# KiCad board ddr5-testboard.kicad_pcb (continued)
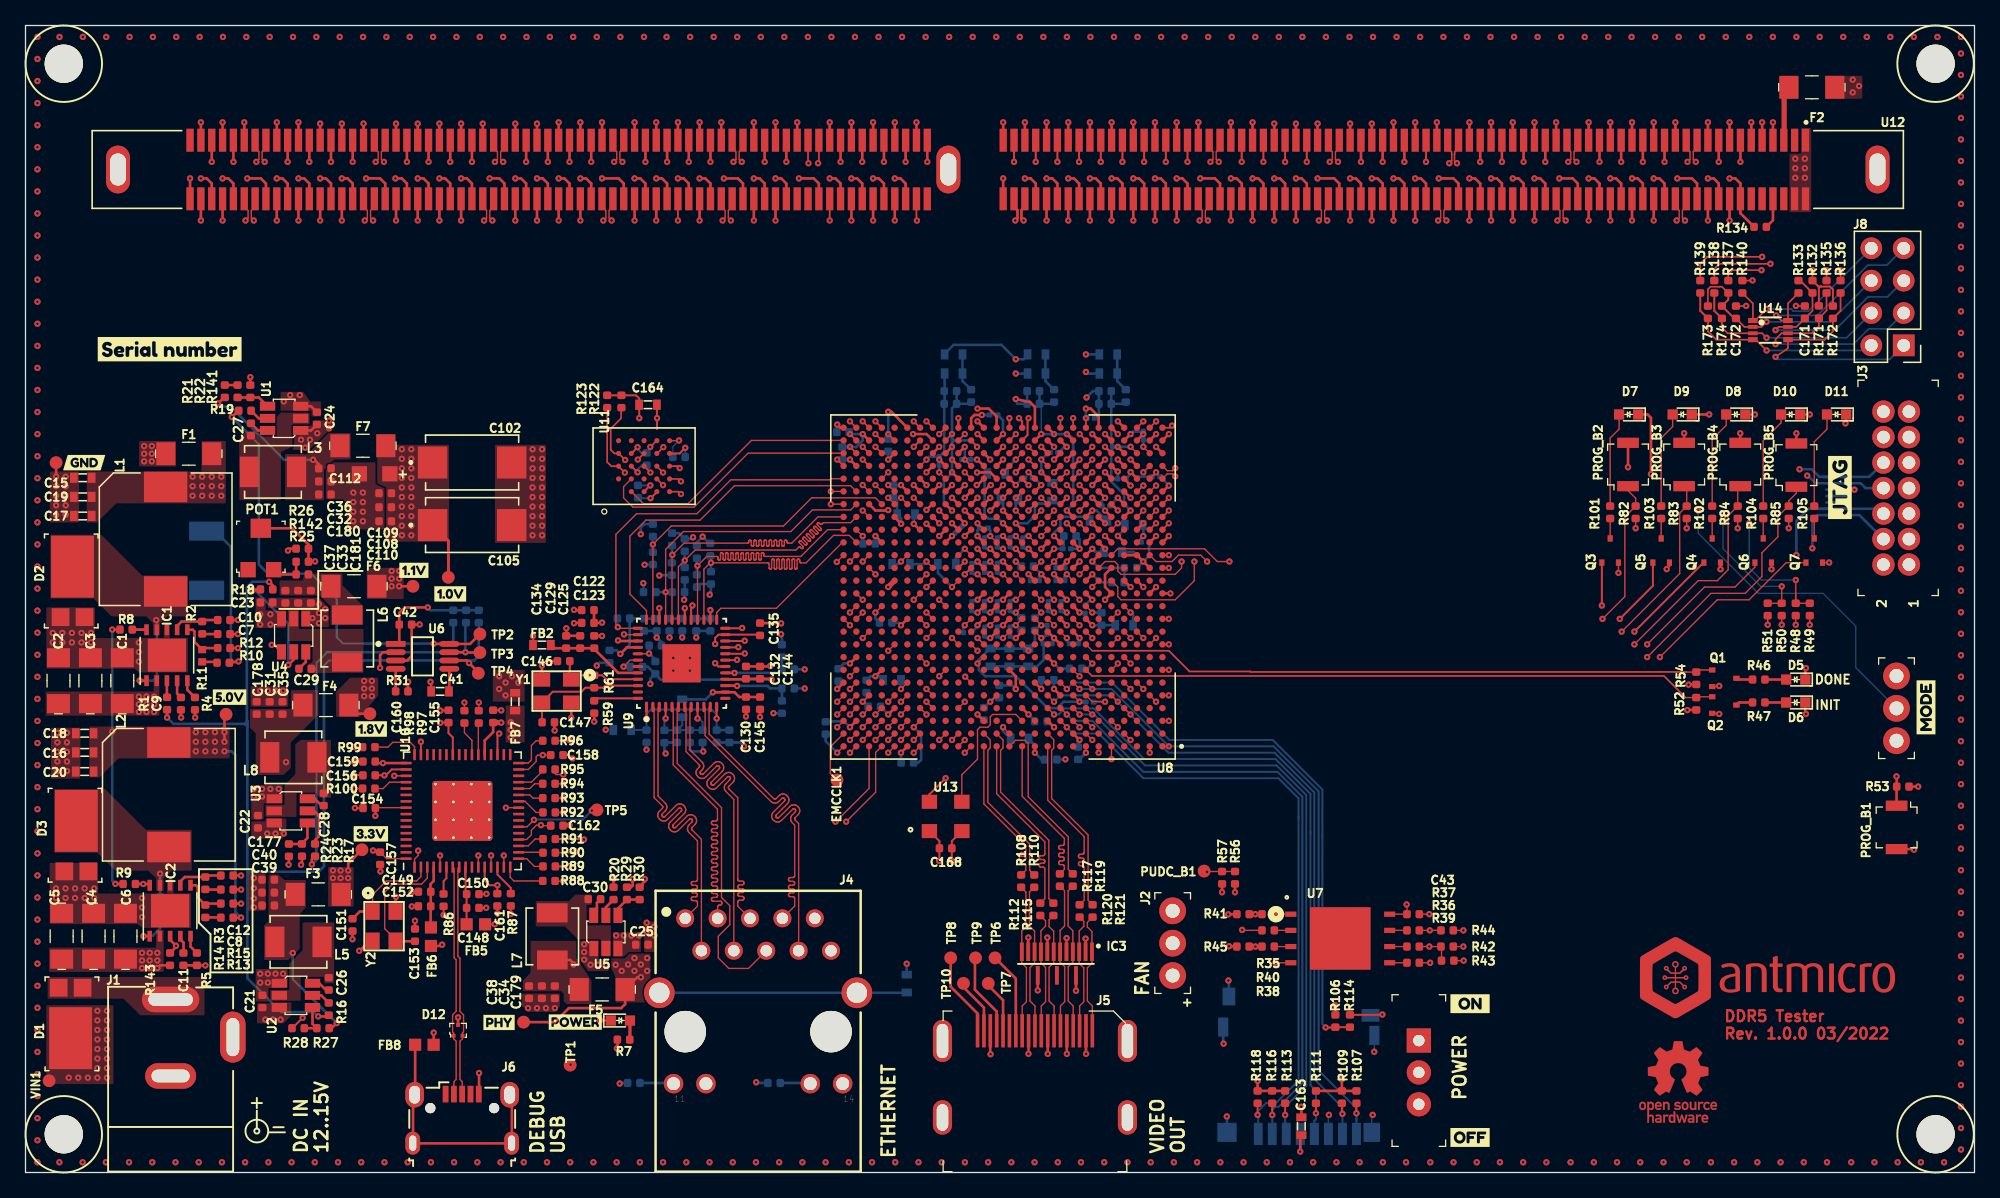
[diagram p0: board, top side]
## Routing (per net, layer and track width the routed paths; a pad name or vN(x,y) marks a point on that pad's centre or on a via; arc(x,y) is an arc through that point) (continued)
PROGRAM_B: length 84.6
  Top w0.1: 146.74,28.73 PROG_B1.1 ; U8.P6 v3(83.64,45.94)
  Top w0.2: v1(146.69,31.08) 146.7,31.06 R53.2 ; 146.69,30.28 PROG_B1.1
  In5.Cu w0.1: v1(146.69,31.08) 144.6,31.08 143.44,32.24 143.44,47.54 141.54,49.44 121.71,49.44 117.71,45.44 91.89,45.44 91.39,45.94 v3(83.64,45.94)
PUDC_B: length 39
  Top w0.1: R56.2 R57.1 92.66,23.62 v1(92.64,23.59) ; U8.B25 v1(64.64,33.94)
  In9.Cu w0.1: v1(64.64,33.94) 64.14,33.44 64.14,29.94 67.64,26.44 91.14,26.44 92.64,24.94 v1(92.64,23.59)
QSPI_DQ0: length 59.3
  Top w0.1: U8.B24 v1(65.64,33.94) ; R39.2 v1(110.12,16.46)
  In9.Cu w0.1: v1(110.12,16.46) 109.72,16.06 96.87,16.06 95.94,16.99 95.94,23.19 91.69,27.44 68.64,27.44 65.64,30.44 v1(65.64,33.94)
QSPI_DQ1: length 42.6
  Top w0.1: R40.2 95.43,19 v1(95.39,19.04) ; U8.A25 v1(64.64,32.94)
  In9.Cu w0.1: v1(95.39,19.04) 95.39,22.99 91.44,26.94 68.14,26.94 64.64,30.44 v1(64.64,32.94)
QSPI_DQ2: length 44.7
  Top w0.1: U8.B22 v1(67.64,33.94) ; R38.2 v1(96.43,17.73) R45.2 95.9,17.77
  In9.Cu w0.1: v1(96.43,17.73) 97.44,18.74 97.44,22.24 ; 97.44,22.24 97.44,22.44 ; 97.44,22.24 97.44,23.29 92.29,28.44 69.64,28.44 67.09,30.99 67.09,33.39 v1(67.64,33.94)
QSPI_DQ3: length 51.5
  Top w0.1: 110.97,19 v1(110.1,19) R37.2 ; U8.A22 v1(67.64,32.94)
  In9.Cu w0.1: v1(110.1,19) 102.63,19 92.69,28.94 70.14,28.94 67.64,31.44 v1(67.64,32.94)
RESET_N: length 41.4
  Top w0.13: U8.AF3 v1(87.64,58.94)
  Top w0.2: U12.207 v1(86.85,74.7)
  In9.Cu w0.13: v1(87.64,58.94) 86.85,59.73 86.85,62.09 86.85,62.12 86.86,62.15 86.88,62.17 86.9,62.19 86.92,62.21 86.95,62.22 86.98,62.22 87.16,62.22 87.19,62.22 87.22,62.23 87.24,62.25 87.26,62.27 87.28,62.29 87.29,62.32 87.29,62.35 87.29,62.38 87.28,62.41 87.26,62.43 87.24,62.45 87.22,62.47 87.19,62.48 87.16,62.48 86.54,62.48 86.51,62.48 86.48,62.49 86.46,62.51 86.44,62.53 86.42,62.55 86.41,62.58 86.41,62.61 86.41,62.64 86.42,62.67 86.44,62.69 86.46,62.71 86.48,62.73 86.51,62.74 86.54,62.74 87.16,62.74 87.19,62.74 87.22,62.75 87.24,62.77 87.26,62.79 87.28,62.81 87.29,62.84 87.29,62.87 87.29,62.9 87.28,62.93 87.26,62.95 87.24,62.97 87.22,62.99 87.19,63 87.16,63 86.54,63 86.51,63 86.48,63.01 86.46,63.03 86.44,63.05 86.42,63.07 86.41,63.1 86.41,63.13 86.41,63.16 86.42,63.19 86.44,63.21 86.46,63.23 86.48,63.25 86.51,63.26 86.54,63.26 87.16,63.26 87.19,63.26 87.22,63.27 87.24,63.29 87.26,63.31 87.28,63.33 87.29,63.36 87.29,63.39 87.29,63.42 87.28,63.45 87.26,63.47 87.24,63.49 87.22,63.51 87.19,63.52 87.16,63.52 86.54,63.52 86.51,63.52 86.48,63.53 86.46,63.55 86.44,63.57 86.42,63.59 86.41,63.62 86.41,63.65 86.41,63.68 86.42,63.71 86.44,63.73 86.46,63.75 86.48,63.77 86.51,63.78 86.54,63.78 87.16,63.78 87.19,63.78 87.22,63.79 87.24,63.81 87.26,63.83 87.28,63.85 87.29,63.88 87.29,63.91 87.29,63.94 87.28,63.97 87.26,63.99 87.24,64.01 87.22,64.03 87.19,64.04 87.16,64.04 86.54,64.04 86.51,64.04 86.48,64.05 86.46,64.07 86.44,64.09 86.42,64.11 86.41,64.14 86.41,64.17 86.41,64.2 86.42,64.23 86.44,64.25 86.46,64.27 86.48,64.29 86.51,64.3 86.54,64.3 87.16,64.3 87.19,64.3 87.22,64.31 87.24,64.33 87.26,64.35 87.28,64.37 87.29,64.4 87.29,64.43 87.29,64.46 87.28,64.49 87.26,64.51 87.24,64.53 87.22,64.55 87.19,64.56 87.16,64.56 86.54,64.56 86.51,64.56 86.48,64.57 86.46,64.59 86.44,64.61 86.42,64.63 86.41,64.66 86.41,64.69 86.41,64.72 86.42,64.75 86.44,64.77 86.46,64.79 86.48,64.81 86.51,64.82 86.54,64.82 87.16,64.82 87.19,64.82 87.22,64.83 87.24,64.85 87.26,64.87 87.28,64.89 87.29,64.92 87.29,64.95 87.29,64.98 87.28,65.01 87.26,65.03 87.24,65.05 87.22,65.07 87.19,65.08 87.16,65.08 86.54,65.08 86.51,65.08 86.48,65.09 86.46,65.11 86.44,65.13 86.42,65.15 86.41,65.18 86.41,65.21 86.41,65.24 86.42,65.27 86.44,65.29 86.46,65.31 86.48,65.33 86.51,65.34 86.54,65.34 87.16,65.34 87.19,65.34 87.22,65.35 87.24,65.37 87.26,65.39 87.28,65.41 87.29,65.44 87.29,65.47 87.29,65.5 87.28,65.53 87.26,65.55 87.24,65.57 87.22,65.59 87.19,65.6 87.16,65.6 86.54,65.6 86.51,65.6 86.48,65.61 86.46,65.63 86.44,65.65 86.42,65.67 86.41,65.7 86.41,65.73 86.41,65.76 86.42,65.79 86.44,65.81 86.46,65.83 86.48,65.85 86.51,65.86 86.54,65.86 87.16,65.86 87.19,65.86 87.22,65.87 87.24,65.89 87.26,65.91 87.28,65.93 87.29,65.96 87.29,65.99 87.29,66.02 87.28,66.05 87.26,66.07 87.24,66.09 87.22,66.11 87.19,66.12 87.16,66.12 86.54,66.12 86.51,66.12 86.48,66.13 86.46,66.15 86.44,66.17 86.42,66.19 86.41,66.22 86.41,66.25 86.41,66.28 86.42,66.31 86.44,66.33 86.46,66.35 86.48,66.37 86.51,66.38 86.54,66.38 87.16,66.38 87.19,66.38 87.22,66.39 87.24,66.41 87.26,66.43 87.28,66.45 87.29,66.48 87.29,66.51 87.29,66.54 87.28,66.57 87.26,66.59 87.24,66.61 87.22,66.63 87.19,66.64 87.16,66.64 86.54,66.64 86.51,66.64 86.48,66.65 86.46,66.67 86.44,66.69 86.42,66.71 86.41,66.74 86.41,66.77 86.41,66.8 86.42,66.83 86.44,66.85 86.46,66.87 86.48,66.89 86.51,66.9 86.54,66.9 87.16,66.9 87.19,66.9 87.22,66.91 87.24,66.93 87.26,66.95 87.28,66.97 87.29,67 87.29,67.03 87.29,67.06 87.28,67.09 87.26,67.11 87.24,67.13 87.22,67.15 87.19,67.16 87.16,67.16 86.54,67.16 86.51,67.16 86.48,67.17 86.46,67.19 86.44,67.21 86.42,67.23 86.41,67.26 86.41,67.29 86.41,67.32 86.42,67.35 86.44,67.37 86.46,67.39 86.48,67.41 86.51,67.42 86.54,67.42 87.16,67.42 87.19,67.42 87.22,67.43 87.24,67.45 87.26,67.47 87.28,67.49 87.29,67.52 87.29,67.55 87.29,67.58 87.28,67.61 87.26,67.63 87.24,67.65 87.22,67.67 87.19,67.68 87.16,67.68 86.54,67.68 86.51,67.68 86.48,67.69 86.46,67.71 86.44,67.73 86.42,67.75 86.41,67.78 86.41,67.81 86.41,67.84 86.42,67.87 86.44,67.89 86.46,67.91 86.48,67.93 86.51,67.94 86.54,67.94 87.16,67.94 87.19,67.94 87.22,67.95 87.24,67.97 87.26,67.99 87.28,68.01 87.29,68.04 87.29,68.07 87.29,68.1 87.28,68.13 87.26,68.15 87.24,68.17 87.22,68.19 87.19,68.2 87.16,68.2 86.54,68.2 86.51,68.2 86.48,68.21 86.46,68.23 86.44,68.25 86.42,68.27 86.41,68.3 86.41,68.33 86.41,68.36 86.42,68.39 86.44,68.41 86.46,68.43 86.48,68.45 86.51,68.46 86.54,68.46 87.16,68.46 87.19,68.46 87.22,68.47 87.24,68.49 87.26,68.51 87.28,68.53 87.29,68.56 87.29,68.59 87.29,68.62 87.28,68.65 87.26,68.67 87.24,68.69 87.22,68.71 87.19,68.72 87.16,68.72 86.54,68.72 86.51,68.72 86.48,68.73 86.46,68.75 86.44,68.77 86.42,68.79 86.41,68.82 86.41,68.85 86.41,68.88 86.42,68.91 86.44,68.93 86.46,68.95 86.48,68.97 86.51,68.98 86.54,68.98 87.16,68.98 87.19,68.98 87.22,68.99 87.24,69.01 87.26,69.03 87.28,69.05 87.29,69.08 87.29,69.11 87.29,69.14 87.28,69.17 87.26,69.19 87.24,69.21 87.22,69.23 87.19,69.24 87.16,69.24 86.54,69.24 86.51,69.24 86.48,69.25 86.46,69.27 86.44,69.29 86.42,69.31 86.41,69.34 86.41,69.37 86.41,69.4 86.42,69.43 86.44,69.45 86.46,69.47 86.48,69.49 86.51,69.5 86.54,69.5 87.16,69.5 87.19,69.5 87.22,69.51 87.24,69.53 87.26,69.55 87.28,69.57 87.29,69.6 87.29,69.63 87.29,69.66 87.28,69.69 87.26,69.71 87.24,69.73 87.22,69.75 87.19,69.76 87.16,69.76 86.54,69.76 86.51,69.76 86.48,69.77 86.46,69.79 86.44,69.81 86.42,69.83 86.41,69.86 86.41,69.89 86.41,69.92 86.42,69.95 86.44,69.97 86.46,69.99 86.48,70.01 86.51,70.02 86.54,70.02 86.72,70.02 86.75,70.02 86.78,70.03 86.8,70.05 86.82,70.07 86.84,70.09 86.85,70.12 86.85,70.15 v1(86.85,74.7)
SCL_3V3: length 94.3
  Top w0.1: U8.E25 v1(64.64,36.94)
  Top w0.127: R135.1 v1(141.2,70.8)
  In2.Cu w0.127: v1(64.64,36.94) 65.8,38.1 66.9,38.1 68.2,39.4 70.8,39.4 71.7,40.3 79.7,40.3 80.3,40.9 115.1,40.9 141.2,67 v1(141.2,70.8)
SD_CD: length 45.2
  Top w0.1: U8.F9 v1(81.64,37.94)
  Top w0.15: R114.1 R106.2 102.67,11.38 ; v1(101.93,11.38) 102.8,11.38
  Bottom w0.15: v1(101.93,11.38) 101.68,11.63 101.68,30.04 97.77,33.94 89.69,33.94 85.19,38.44 82.14,38.44 v1(81.64,37.94)
SD_CLK: length 51.6
  Top w0.1: U8.D10 v1(80.64,35.94)
  Top w0.15: R111.2 v1(101.17,4.65)
  Bottom w0.15: 100.74,26.55 100.74,6.85 101.17,6.43 v1(101.17,4.65) 101.17,4.17 101.05,4.05 J7.5 ; 100.74,26.55 100.74,26.71 ; 100.74,26.55 100.74,29.7 98,32.44 87.71,32.44 83.74,36.41 81.48,36.41 81.01,35.94 80.64,35.94 v1(80.64,35.94)
SD_CMD: length 49.2
  Top w0.1: U8.D8 v1(82.64,35.94)
  Top w0.15: R113.2 v1(98.76,4.52)
  Bottom w0.15: 98.76,3.12 v1(98.76,4.52) 98.76,5.16 100.41,6.81 100.41,29.61 98.08,31.94 87.76,31.94 83.76,35.94 v1(82.64,35.94)
SD_DAT0: length 53.3
  Top w0.1: U8.E10 v1(80.64,36.94)
  Top w0.15: 103.2,5.14 R109.2 103.2,4.65 v1(103.25,4.6)
  Bottom w0.15: v1(80.64,36.94) 81.14,37.44 85.11,37.44 89.61,32.94 97.93,32.94 101.04,29.82 101.04,7.31 103.25,5.11 v1(103.25,4.6) J7.7
SD_DAT1: length 52.2
  Top w0.1: U8.F8 v1(82.64,37.94)
  Top w0.15: R107.2 v1(104.34,4.65)
  Bottom w0.15: v1(82.64,37.94) 85.14,37.94 89.64,33.44 97.85,33.44 101.38,29.91 101.38,8 104.34,5.03 104.34,4.14 ; J7.8 104.34,4.14 ; 104.34,4.14 v1(104.34,4.65)
SD_DAT2: length 50.4
  Top w0.1: U8.C9 v1(81.64,34.94)
  Top w0.15: R118.2 v1(96.6,4.52)
  Bottom w0.15: 99.81,27.77 99.81,29.36 98.23,30.94 87.64,30.94 84.14,34.44 82.14,34.44 v1(81.64,34.94) ; 99.81,27.77 99.81,27.97 ; 99.81,27.77 99.81,7.22 98.04,5.46 97.28,5.46 96.6,4.78 v1(96.6,4.52) 96.65,4.47 J7.1
SD_DAT3: length 50.4
  Top w0.1: U8.D9 v1(81.64,35.94)
  Top w0.15: R116.2 97.74,4.52 v1(97.75,4.51)
  Bottom w0.15: J7.2 v1(97.75,4.51) 97.75,4.91 97.99,5.16 98.25,5.16 100.11,7.01 100.11,29.49 98.15,31.44 87.64,31.44 83.64,35.44 82.14,35.44 v1(81.64,35.94)
SDA_3V3: length 96.8
  Top w0.1: U8.D26 v1(63.64,35.94)
  Top w0.127: R136.1 v1(142.3,70.8)
  In2.Cu w0.127: v1(142.3,70.8) 142.3,67.4 115.4,40.5 80.58,40.5 79.98,39.9 71.9,39.9 71,39 68.4,39 67.1,37.7 65.78,37.7 65.2,37.12 65.2,36.8 64.8,36.4 64.1,36.4 v1(63.64,35.94)
SYS_ON: length 38.3
  Top w0.2: IC2.10 9.64,22.64 v1(9.24,22.64) R9.2 ; v1(27.8,39.6) 27.8,40.6 28.03,40.83 U6.2
  In5.Cu w0.2: v1(9.24,22.64) 15.84,22.64 16.2,23 16.2,38.8 16.65,39.25 27.45,39.25 v1(27.8,39.6)
TCK_JTAG: length 125.4
  Top w0.1: 41.54,22.86 42.15,22.86 ; U8.L8 v3(82.64,42.94)
  In5.Cu w0.1: v1(42.16,22.88) 43.32,22.88 43.89,23.44 43.89,24.9 45.68,26.69 51.89,26.69 60.39,35.19 60.39,42.44 61.39,43.44 U8.L8 v3(82.64,42.94) 83.14,43.44 84.14,43.44 85.14,44.44 118.64,44.44 122.64,48.44 v1(138.84,48.44)
  Bottom w0.2: D4.13 140.09,52.08 ; D4.13 D4.13 145.28,52.08 J3.6 ; D4.13 139.79,52.08 138.84,51.13 v1(138.84,48.44)
TDI_JTAG: length 137.3
  Top w0.1: v1(90.64,47.94) 90.64,47.44 90.14,46.94 85.89,46.94 85.64,47.19 85.64,47.69 85.39,47.94 84.64,47.94 U8.R6
  Top w0.15: R89.2 42.52,24.02
  In5.Cu w0.1: v1(139.09,55.18) 139.09,50.81 138.37,50.09 125.49,50.09 124.64,50.94 121.14,50.94 116.64,46.44 92.14,46.44 v1(90.64,47.94) 90.14,47.44 79.14,47.44 ; 76.89,46.44 61.39,46.44 59.64,44.69 59.64,35.94 51.14,27.44 44.1,27.44 42.54,25.87 v1(42.54,24)
  In5.Cu w0.11: 79.14,47.44 77.39,47.44 77.14,47.19 77.14,46.69 76.89,46.44
  In9.Cu w0.15: 42.52,24.02 v1(42.54,24)
  Bottom w0.2: D4.8 140.64,54.58 140.04,55.18 v1(139.09,55.18) ; D4.8 140.91,54.58 ; D4.8 D4.8 144.54,54.58 J3.10
TDO_JTAG: length 127.3
  Top w0.1: v1(43.14,25.19) 43.04,25.09 R90.2 ; U8.R7 v3(82.64,46.94)
  In5.Cu w0.1: v3(82.64,46.94) 82.14,46.44 82.14,45.69 81.89,45.44 61.39,45.44 59.89,43.94 59.89,35.69 51.39,27.19 44.14,27.19 43.14,26.19 v1(43.14,25.19) ; v1(139.69,54.68) 139.69,50.64 138.84,49.79 124.79,49.79 ; 124.79,49.79 124.64,49.94 ; 124.79,49.79 124.14,50.44 121.64,50.44 117.14,45.94 91.89,45.94 91.39,46.44 84.14,46.44
  In5.Cu w0.11: 84.14,46.44 83.14,46.44 v3(82.64,46.94)
  Bottom w0.2: v1(139.69,54.68) 139.74,54.68 140.34,54.08 D4.9 D4.9 143.89,54.08 144.26,53.7 J3.8
TMDS_CLK_N: length 12.9
  Top w0.1: U8.A15 75.14,28.92 78.42,25.64 78.42,25.26 78.41,25.23 78.4,25.19 78.38,25.17 78.36,25.14 78.33,25.12 78.3,25.11 78.27,25.11 78.12,25.11 78.08,25.11 78.05,25.09 78.02,25.08 78,25.05 77.98,25.02 77.97,24.99 77.97,24.96 77.97,24.93 77.98,24.89 78,24.87 78.02,24.84 78.05,24.82 78.08,24.81 78.12,24.81 78.27,24.81 78.3,24.81 78.33,24.79 78.36,24.78 78.38,24.75 78.4,24.72 78.41,24.69 78.42,24.66 78.41,24.63 78.4,24.59 78.38,24.57 78.36,24.54 78.33,24.52 78.3,24.51 78.27,24.51 78.12,24.51 78.08,24.51 78.05,24.49 78.02,24.48 78,24.45 77.98,24.42 77.97,24.39 77.97,24.36 77.97,24.33 77.98,24.29 78,24.27 78.02,24.24 78.05,24.22 78.08,24.21 78.12,24.21 78.27,24.21 78.3,24.21 78.33,24.19 78.36,24.18 78.38,24.15 78.4,24.12 78.41,24.09 78.42,24.06 78.42,23.71 R108.1
TMDS_CLK_P: length 12.9
  Top w0.1: R110.1 78.73,23.71 78.73,25.77 75.45,29.05 75.45,33.13 75.64,33.32 75.64,33.94 U8.B15
TMDS_D0_N: length 15.3
  Top w0.1: U8.A14 76.14,29.72 79.92,25.94 79.92,25.01 79.91,24.98 79.9,24.94 79.88,24.92 79.86,24.89 79.83,24.87 79.8,24.86 79.77,24.86 79.62,24.86 79.58,24.86 79.55,24.84 79.52,24.83 79.5,24.8 79.48,24.77 79.47,24.74 79.47,24.71 79.47,24.68 79.48,24.64 79.5,24.62 79.52,24.59 79.55,24.57 79.58,24.56 79.62,24.56 79.77,24.56 79.8,24.56 79.83,24.54 79.86,24.53 79.88,24.5 79.9,24.47 79.91,24.44 79.92,24.41 79.91,24.38 79.9,24.34 79.88,24.32 79.86,24.29 79.83,24.27 79.8,24.26 79.77,24.26 79.62,24.26 79.58,24.26 79.55,24.24 79.52,24.23 79.5,24.2 79.48,24.17 79.47,24.14 79.47,24.11 79.47,24.08 79.48,24.04 79.5,24.02 79.52,23.99 79.55,23.97 79.58,23.96 79.62,23.96 79.77,23.96 79.8,23.96 79.83,23.94 79.86,23.93 79.88,23.9 79.9,23.87 79.91,23.84 79.92,23.81 79.92,21.49 R112.1
TMDS_D0_P: length 15.3
  Top w0.1: R115.1 80.23,21.49 80.23,26.07 76.45,29.85 76.45,33.13 76.64,33.32 76.64,33.94 U8.B14
TMDS_D1_N: length 13.5
  Top w0.1: U8.A12 78.14,29.52 81.44,26.21 81.44,25.81 81.44,25.77 81.43,25.74 81.41,25.71 81.39,25.69 81.36,25.67 81.33,25.66 81.29,25.66 81.14,25.66 81.11,25.65 81.08,25.64 81.05,25.62 81.02,25.6 81.01,25.57 81,25.54 80.99,25.51 81,25.47 81.01,25.44 81.02,25.41 81.05,25.39 81.08,25.37 81.11,25.36 81.14,25.36 81.29,25.36 81.33,25.35 81.36,25.34 81.39,25.32 81.41,25.3 81.43,25.27 81.44,25.24 81.44,25.21 81.44,25.17 81.43,25.14 81.41,25.11 81.39,25.09 81.36,25.07 81.33,25.06 81.29,25.06 81.14,25.06 81.11,25.05 81.08,25.04 81.05,25.02 81.02,25 81.01,24.97 81,24.94 80.99,24.91 81,24.87 81.01,24.84 81.02,24.81 81.05,24.79 81.08,24.77 81.11,24.76 81.14,24.76 81.29,24.76 81.33,24.75 81.36,24.74 81.39,24.72 81.41,24.7 81.43,24.67 81.44,24.64 81.44,24.61 81.44,24.57 81.43,24.54 81.41,24.51 81.39,24.49 81.36,24.47 81.33,24.46 81.29,24.46 81.14,24.46 81.11,24.45 81.08,24.44 81.05,24.42 81.02,24.4 81.01,24.37 81,24.34 80.99,24.31 81,24.27 81.01,24.24 81.02,24.21 81.05,24.19 81.08,24.17 81.11,24.16 81.14,24.16 81.29,24.16 81.33,24.15 81.36,24.14 81.39,24.12 81.41,24.1 81.43,24.07 81.44,24.04 81.44,24.01 81.44,23.78 R117.1
TMDS_D1_P: length 13.5
  Top w0.1: R119.1 81.75,23.78 81.75,26.34 78.61,29.48 78.61,33.66 78.36,33.91 77.61,33.91 U8.A13
TMDS_D2_N: length 15
  Top w0.1: R120.1 83,21.36 83,23.92 82.99,23.96 82.98,23.99 82.96,24.02 82.94,24.04 82.91,24.06 82.88,24.07 82.85,24.07 82.7,24.07 82.67,24.08 82.63,24.09 82.61,24.11 82.58,24.13 82.56,24.16 82.55,24.19 82.55,24.22 82.55,24.26 82.56,24.29 82.58,24.32 82.61,24.34 82.63,24.36 82.67,24.37 82.7,24.37 82.85,24.37 82.88,24.38 82.91,24.39 82.94,24.41 82.96,24.43 82.98,24.46 82.99,24.49 83,24.52 82.99,24.56 82.98,24.59 82.96,24.62 82.94,24.64 82.91,24.66 82.88,24.67 82.85,24.67 82.7,24.67 82.67,24.68 82.63,24.69 82.61,24.71 82.58,24.73 82.56,24.76 82.55,24.79 82.55,24.82 82.55,24.86 82.56,24.89 82.58,24.92 82.61,24.94 82.63,24.96 82.67,24.97 82.7,24.97 82.85,24.97 82.88,24.98 82.91,24.99 82.94,25.01 82.96,25.03 82.98,25.06 82.99,25.09 83,25.12 83,26.36 80.14,29.22 U8.A10
TMDS_D2_P: length 15
  Top w0.1: R121.1 83.31,21.36 83.31,26.49 80.45,29.35 80.45,33.13 80.61,33.29 80.61,33.96 U8.B10
TMS_JTAG: length 122.8
  Top w0.1: U8.N8 v3(82.64,44.94)
  Top w0.15: v1(43.79,26.13) 43.75,26.17 R91.2
  In5.Cu w0.1: 140.05,48.94 122.16,48.94 118.16,44.94 91.89,44.94 91.39,45.44 83.14,45.44 v3(82.64,44.94) 82.24,44.54 61.49,44.54 60.14,43.19 60.14,35.44 51.64,26.94 44.6,26.94 v1(43.79,26.13)
  In9.Cu w0.1: v1(140.09,48.98) 140.05,48.94
  Bottom w0.15: v1(140.09,48.98) 140.09,49.33
  Bottom w0.2: v1(140.09,48.98) 140.09,51.18 140.49,51.58 D4.14 D4.14 143.78,51.58 J3.4
UART0_RX: length 36.3
  Top w0.1: R97.2 v4(35.54,36.88) ; U8.F25 v1(64.64,37.94)
  In2.Cu w0.1: v4(35.54,36.88) 35.14,36.48 35.14,34.94 36.55,33.53 42.91,33.53 44,32.44 57.35,32.44 62.35,37.44 64.14,37.44 v1(64.64,37.94)
UART0_TX: length 35.3
  Top w0.1: U8.E26 v1(63.64,36.94) ; R98.2 v4(34.41,36.88)
  In2.Cu w0.1: v1(63.64,36.94) 62.14,36.94 57.44,32.24 43.84,32.24 42.75,33.33 36.47,33.33 34.64,35.16 34.64,36.65 v4(34.41,36.88)
UART1_RX: length 48.9
  Top w0.1: 63.53,27.53 66.14,30.14 U8.A24 ; R99.2 v4(25.79,33.38)
  In2.Cu w0.1: v1(63.5,27.53) 43.82,27.53 43.56,27.78 41.25,27.78 40.87,28.16 40.87,30.12 38.79,32.2 31.09,32.2 29.91,33.38 v4(25.79,33.38)
UART1_TX: length 50.8
  Top w0.1: v1(64.34,27.53) 66.65,29.84 66.65,32.96 67.13,33.44 U8.A23 ; R100.2 v4(25.79,30.13)
  In2.Cu w0.1: v1(64.34,27.53) 63.5,26.69 41.91,26.69 40.62,27.99 40.62,30.02 38.66,31.97 31.22,31.97 29.37,30.13 v4(25.79,30.13)
USR_BTN1: length 78
  Top w0.1: PROG_B2.1 125.64,53.5 126.24,52.9 126.24,52.3 ; U8.C21 v1(68.64,34.94) ; R82.2 125.39,51.44 125.39,45.19 v1(123.64,43.44)
  In7.Cu w0.15: v1(68.64,34.94) 69.14,34.44 70.14,34.44 70.64,33.94 70.64,30.44 72.14,28.94 109.14,28.94 v1(123.64,43.44)
USR_BTN2: length 79.9
  Top w0.1: PROG_B3.1 130.24,53.65 R83.2 129.69,51.74 129.69,46.99 v1(125.14,42.44) ; U8.A20 v1(69.64,32.94)
  In7.Cu w0.15: v1(69.64,32.94) 69.64,29.44 71.14,27.94 110.64,27.94 v1(125.14,42.44)
USR_BTN3: length 90.5
  Top w0.1: PROG_B4.1 134.24,53.65 R84.2 133.49,51.54 133.49,47.29 132.64,46.44 131.14,46.44 v1(126.14,41.44) ; U8.E21 v1(68.64,36.94)
  In7.Cu w0.15: v1(68.64,36.94) 68.14,36.44 68.14,28.94 70.14,26.94 111.64,26.94 v1(126.14,41.44)
USR_BTN4: length 96
  Top w0.1: PROG_B5.1 138.84,53.3 138.24,52.7 R85.2 138.19,52.29 137.39,51.48 137.39,49.88 136.14,48.63 136.14,46.76 134.81,45.44 132.14,45.44 v1(127.14,40.44) ; U8.D23 v1(66.64,35.94)
  In7.Cu w0.15: v1(66.64,35.94) 66.14,35.44 66.14,28.94 69.14,25.94 112.64,25.94 v1(127.14,40.44)
USR_LED1: length 70
  Top w0.1: U8.D21 v1(68.64,35.94)
  Top w0.15: Q3.1 v1(123.59,44.49)
  In7.Cu w0.15: v1(68.64,35.94) 69.14,35.44 70.14,35.44 71.14,34.44 71.14,30.94 72.64,29.44 108.54,29.44 v1(123.59,44.49)
USR_LED2: length 72.2
  Top w0.1: U8.B20 v1(69.64,33.94)
  Top w0.15: Q5.1 127.59,47.58 ; 127.59,47.58 127.59,47.45 ; 127.59,47.58 127.59,46.04 v1(124.99,43.44)
  In7.Cu w0.15: v1(69.64,33.94) 70.14,33.44 70.14,29.94 71.64,28.44 109.99,28.44 v1(124.99,43.44)
USR_LED3: length 77.4
  Top w0.1: U8.B21 v1(68.64,33.94)
  Top w0.15: v1(126.14,42.44) 131.55,47.85 Q4.1
  In7.Cu w0.15: v1(68.64,33.94) 69.14,33.44 69.14,28.94 70.64,27.44 111.14,27.44 v1(126.14,42.44)
USR_LED4: length 85.5
  Top w0.1: 135.59,47.78 Q6.1 135.59,47.5 134.02,45.94 131.64,45.94 v1(127.14,41.44) ; U8.C22 v1(67.64,34.94)
  In7.Cu w0.15: v1(67.64,34.94) 67.14,34.44 67.14,28.94 69.64,26.44 112.14,26.44 v1(127.14,41.44)
USR_LED5: length 96
  Top w0.1: U8.E22 v1(67.64,36.94) ; v1(128.14,40.44) 132.64,44.94 135.13,44.94 138.04,47.85 Q7.1
  In7.Cu w0.15: v1(67.64,36.94) 67.14,36.44 65.32,36.44 65.14,36.25 65.14,28.94 68.64,25.44 113.14,25.44 v1(128.14,40.44)
VREF_32: length 15.6
  Top w0.1: v1(74.6,56.94) 74.6,56.98 U8.AE16
  Top w0.2: U8.Y18 v1(72.64,51.94)
  Bottom w0.2: 72.81,57.44 72.64,57.61 ; 72.81,57.44 72.94,57.44 ; 72.81,57.44 72.64,57.27 72.64,57.14 ; 72.64,57.61 72.64,57.39 ; 72.64,57.61 72.64,59.95 C173.1 ; FB9.2 74,60.31 C173.1 ; 72.64,57.39 72.64,57.14 ; 72.64,57.39 72.69,57.44 72.94,57.44 ; C174.1 C173.1 ; 72.64,57.14 72.64,54.89 72,54.25 72,52.58 v1(72.64,51.94) ; v1(74.6,56.94) 74.1,57.44 72.94,57.44
VREF_33: length 14.5
  Top w0.2: U8.AE11 v1(79.64,57.94) ; U8.W8 v1(81.64,51.94)
  Bottom w0.1: v1(79.64,57.94) 79.64,60.17 C175.1
  Bottom w0.2: C176.1 C175.1 80.5,60.31 FB10.2 ; v1(79.64,57.94) 81.76,57.94 82.14,57.56 82.14,52.44 v1(81.64,51.94)
VREF_34: length 15.6
  Top w0.1: U8.AD3 v1(86.64,56.94)
  Top w0.2: U8.W4 v1(86.64,51.94)
  Bottom w0.2: FB11.2 86.12,60.31 C169.1 ; C170.1 C169.1 ; C169.1 85.12,57.42 ; 85.12,56.83 85.23,56.94 85.39,56.94 ; 85.12,56.83 85.12,57.17 ; 85.12,56.83 85.12,56.55 ; 85.12,57.42 85.12,57.17 ; 85.12,57.42 85.12,57.2 85.39,56.94 ; 85.12,57.17 85.36,56.94 85.39,56.94 ; v1(86.64,51.94) 86.13,52.45 86.13,53.21 85.12,54.22 85.12,56.55 ; v1(86.64,56.94) 85.39,56.94 ; 85.39,56.94 85.12,56.67 85.12,56.55
VRN_32: length 5.8
  Top w0.2: U8.V13 v1(76.64,50.94)
  Bottom w0.2: v1(76.64,50.94) 76.28,51.3 75.5,51.3 75.19,51.61 75.19,54.63 R127.1
VRN_33: length 4.7
  Top w0.2: U8.U9 v1(80.64,49.94)
  Bottom w0.2: v1(80.64,49.94) 80.64,50.19 81.13,50.68 81.13,51.23 81.35,51.45 83.13,51.45 R131.1
VRN_34: length 1.8
  Top w0.2: U8.U4 86.14,49.45 v1(85.64,49.95)
  Bottom w0.2: v1(85.64,49.95) 86.19,50.49 R161.1
VRP_32: length 1.7
  Top w0.2: U8.W13 v1(76.64,51.94)
  Bottom w0.2: v1(76.64,51.94) 76.64,52.61 R126.1
VRP_33: length 4.7
  Top w0.2: U8.V12 v1(77.64,50.94)
  Bottom w0.2: R130.1 80.28,52.49 79.42,52.49 79.13,52.2 79.13,51.53 78.54,50.94 v1(77.64,50.94)
VRP_34: length 1.7
  Top w0.2: U8.T7 v1(83.64,48.94)
  Bottom w0.2: R162.1 83.89,48.69 v1(83.64,48.94)
Net-(C7-Pad1): length 1.2
  Top w0.2: R2.2 13.86,42.25 C7.1
Net-(C8-Pad1): length 1.2
  Top w0.2: R3.2 14.11,22.2 C8.1
Net-(C9-Pad1): length 1.4
  Top w0.2: IC1.4 11.89,37.57 C9.1
Net-(C10-Pad1): length 3.7
  Top w0.2: C10.1 13.97,43.35 R2.1 12.23,43.23 11.89,42.89 IC1.7
Net-(C11-Pad1): length 1.4
  Top w0.2: 12.34,17.22 12.39,17.28 12.39,18.04 12.14,18.29 IC2.4
Net-(C12-Pad1): length 3.7
  Top w0.2: C12.1 14.22,23.3 R3.1 12.48,23.19 12.14,22.84 IC2.7
Net-(C13-Pad1): length 1.8
  Bottom w0.2: v1(10.25,43.35) 10.3,43.3 C13.1
Net-(C13-Pad2): length 3.7
  Top w0.2: IC1.1 9.48,38.6 v1(8.95,38.6)
  Bottom w0.2: v1(8.95,38.6) 10,38.6 10.3,38.9 C13.2
Net-(C14-Pad1): length 1.8
  Bottom w0.2: C14.1 v1(10.55,23.45)
Net-(C14-Pad2): length 3.6
  Top w0.2: v1(9.25,18.55) 9.73,18.55 IC2.1
  Bottom w0.2: C14.2 10.55,19.15 9.97,18.58 9.28,18.58 v1(9.25,18.55)
Net-(C26-Pad2): length 1.5
  Top w0.2: C26.2 23.56,14.31 23.03,14.85 U2.6
Net-(C27-Pad2): length 1.5
  Top w0.2: U1.6 18.23,58.22 C27.2
Net-(C28-Pad2): length 1.5
  Top w0.2: C28.2 23.21,28.79 22.68,29.33 U3.6
